# Altium PCB TIDA-01576_ADS8686S_AFE.PcbDoc (part 3 of 3)
Units mil, origin at the board's own origin, x right, y up, seen from the top; angles counter-clockwise.
Board outline 5511.81 x 3346.46 mil, 4 copper layers (Top Layer, GND, PWR, Bottom Layer), stack 61.6 mil thick; 296 components, 132 nets, 698 pads, 252 vias.
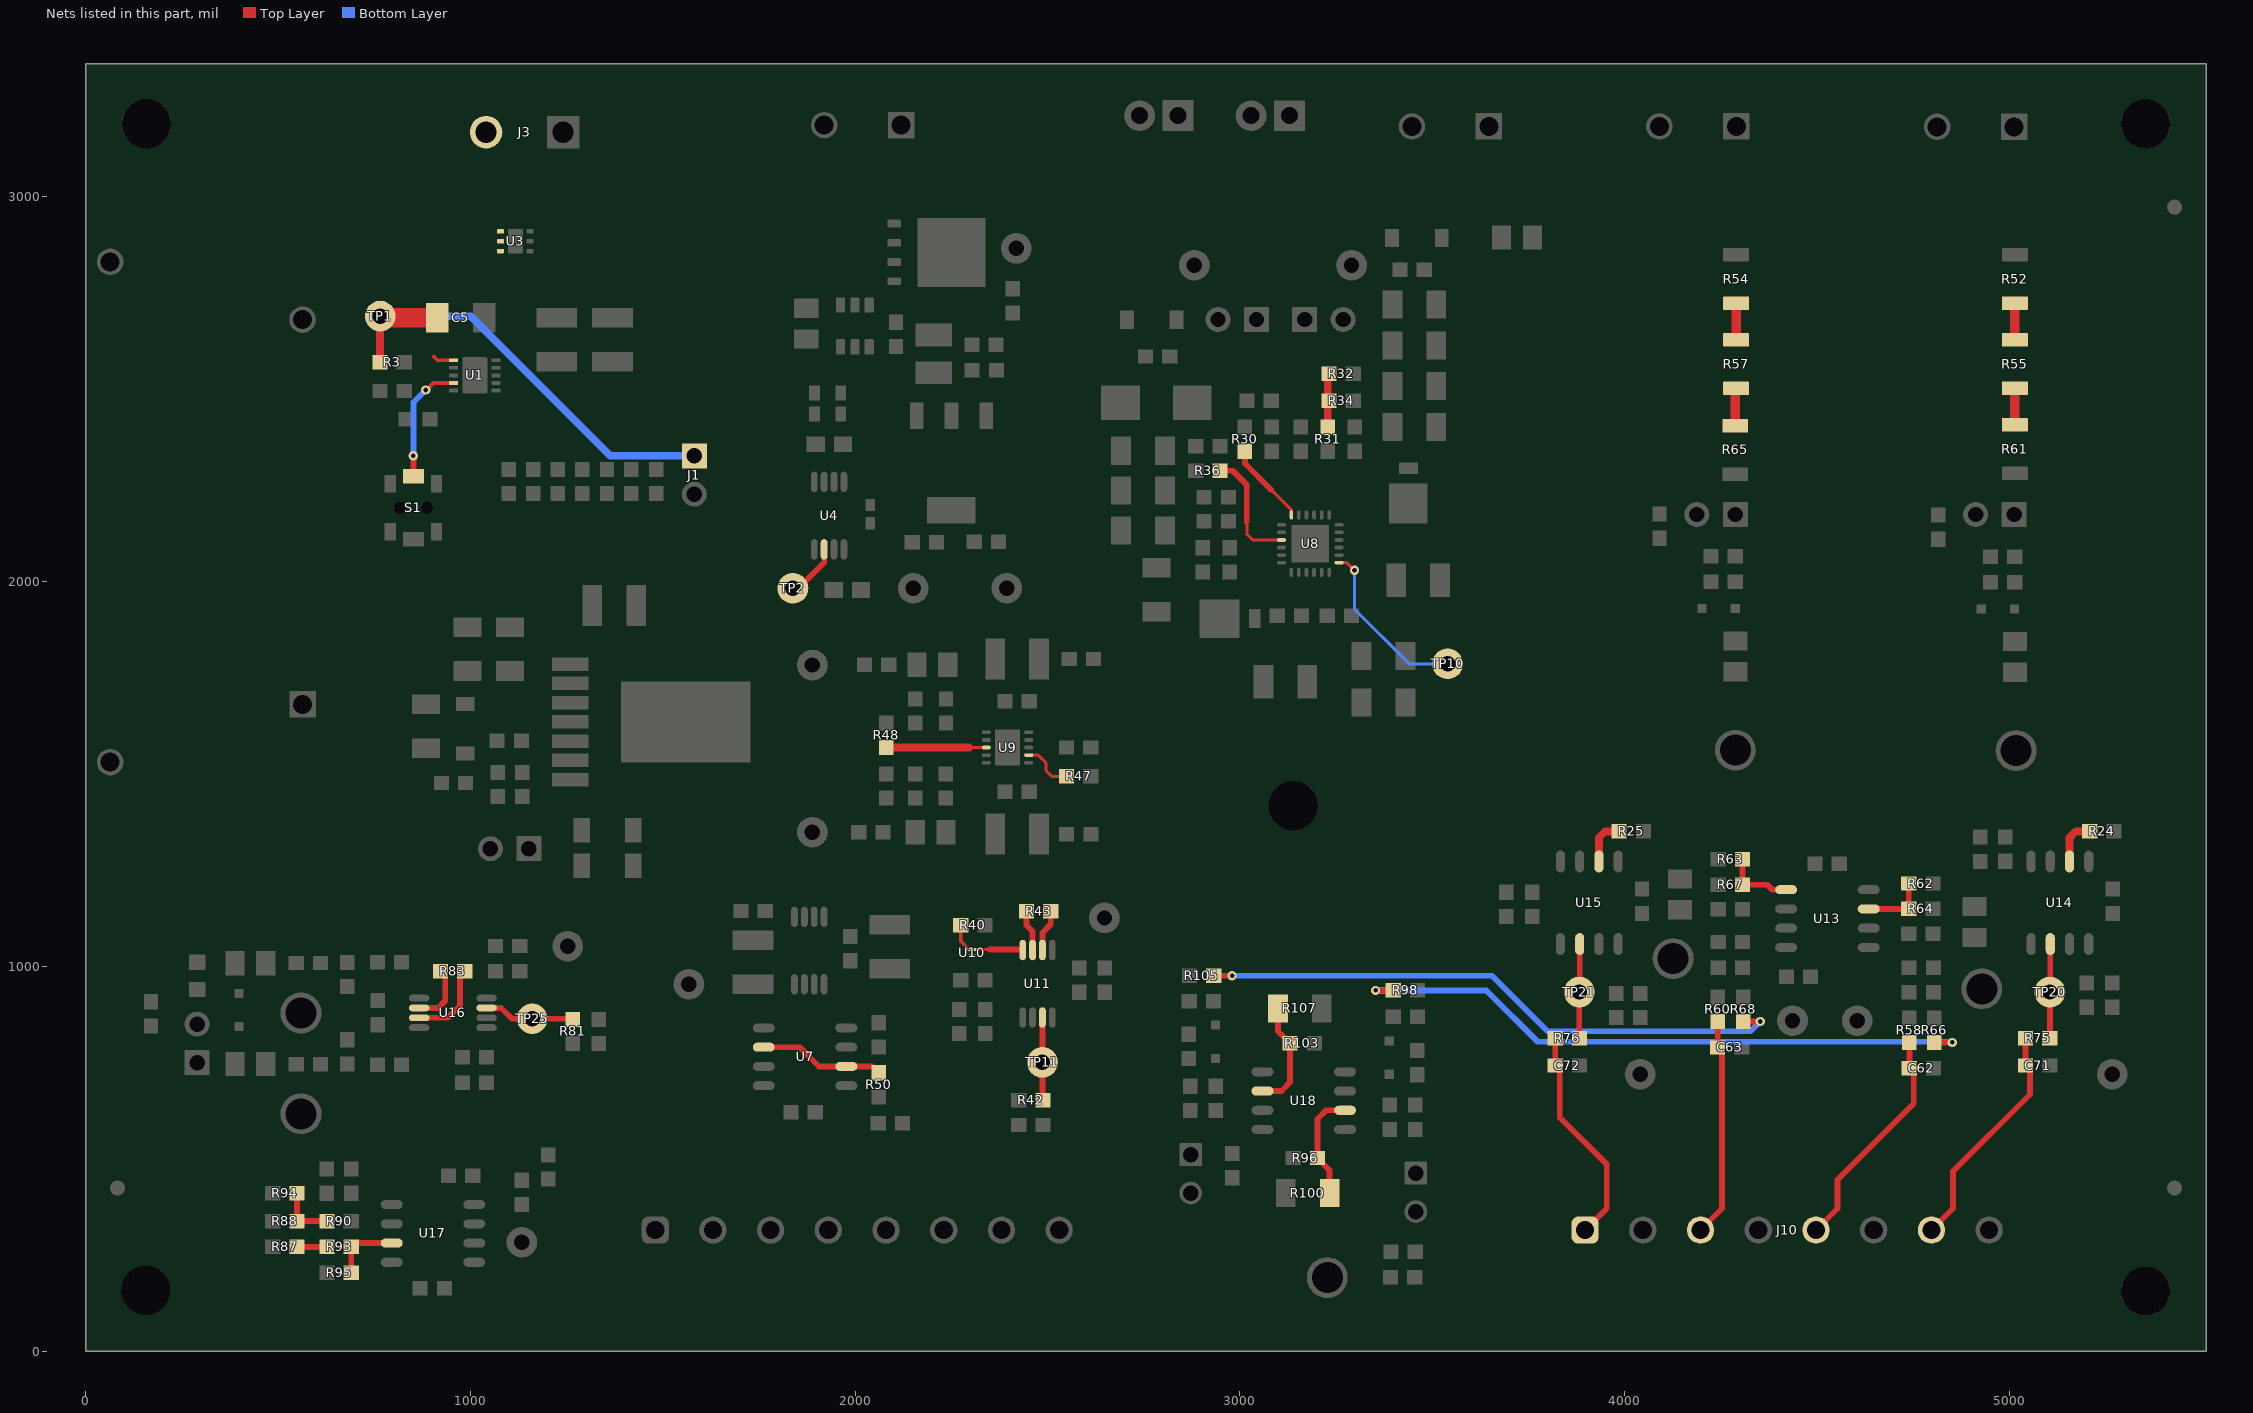
[diagram p5: the nets of this part, all layers, seen from the top]

## Via types
v1: diameter 24, hole 12, Top Layer to Bottom Layer, tented both sides, 198 vias
v2: diameter 19.68, hole 7.87, Top Layer to Bottom Layer, 30 vias
v3: diameter 32, hole 16, Top Layer to Bottom Layer, tented both sides, 24 vias

## Nets (pads, with @x,y where several pads share a name; then routed paths per layer and width w, separated by ;. In a path a pad name is that pad's centre, name@x,y a point inside that pad or via, vN(x,y) a via of type N, cw(c..) or ccw(c..) an arc to the next point about the centre after c; other vN are vias at no path point) (continued)
NetR24_1: R24.1 U14.2 | length 121.4
  Top Layer w20: U14.2@5155.89,1272.74 5155.89,1334.89 5171.89,1350.89 R24.1@5208.5,1350.89
NetR25_1: R25.1 U15.2 | length 121.4
  Top Layer w20: U15.2@3932.89,1272.74 3932.89,1334.89 3948.89,1350.89 R25.1@3985.5,1350.89
NetR30_1: R30.1 U8.18 | length 216
  Top Layer w8: 3081,2239 3081.59,2239 3133.59,2187 U8.18@3133.59,2173.33
  Top Layer w15: R30.1@3013,2339 3013,2307 3081,2239
NetR31_2: R31.2 R32.1 R34.2 | length 135
  Top Layer w20: R31.2@3228,2401.99 R32.1@3228,2536.99
NetR36_1: R36.1 U8.21 | length 309
  Top Layer w8: 3018,2156 3018,2124 3033.63,2108.37 U8.21@3108,2108.37
  Top Layer w15: R36.1@2948.37,2288.38 2981.34,2288.38 3018,2251.72 3018,2156
NetR40_1: R40.1 U10.B2 | length 72
  Top Layer w8: 2282.25,1058 U10.B2@2296.25,1044
  Top Layer w10: R40.1@2274.5,1107 2274.5,1065.75 2282.25,1058
NetR42_1: R42.1 TP11.1 U11.7 | length 215.4
  Top Layer w15: U11.7@2486.8,867.4 2486.8,750.76 TP11.1@2486.69,750.66 2486.69,654.16 R42.1@2488.19,652.66
NetR43_1: R43.1 U11.2 | length 109.4
  Top Layer w15: U11.2@2486.8,1042.6 2486.8,1087.8 2508.5,1109.5 R43.1@2508.5,1143
NetR43_2: R43.2 U11.3 | length 106.9
  Top Layer w15: R43.2@2445.5,1143 2445.5,1106.95 2461.2,1091.25 U11.3@2461.2,1042.6
NetR47_2: R47.2 U9.2 | length 133
  Top Layer w8: U9.2@2451.12,1549.24 2475.69,1549.24 2496,1528.93 2496,1508.93 2511,1493.93 R47.2@2549.5,1493.93
NetR48_1: R48.1 U9.8 | length 259.9
  Top Layer w9: 2296,1568.93 U9.8@2340.88,1568.93
  Top Layer w20: R48.1@2081,1568.93 2296,1568.93
NetR50_1: R50.1 U7.2 U7.6 | length 325.8
  Top Layer w15: U7.2@1762.63,790.19 1855.81,790.19 1905.81,740.19 U7.6@1977.19,740.19 2044.41,740.19 R50.1@2060.91,723.69
NetR52_1: R52.1 R55.2 | length 95
  Top Layer w25: R55.2@5013.89,2628.45 R52.1@5013.89,2723.46
NetR54_1: R54.1 R57.2 | length 95
  Top Layer w25: R57.2@4289.34,2628.43 R54.1@4289.34,2723.44
NetR55_1: R55.1 R61.2 | length 95
  Top Layer w25: R61.2@5013.89,2407.45 R55.1@5013.89,2502.46
NetR57_1: R57.1 R65.2 | length 100.7
  Top Layer w25: R65.2@4287.34,2399.52 R65.2@4289.34,2401.52 ; R65.2@4287.34,2405.43 4287.34,2500.44 R57.1@4289.34,2502.44
NetR62_1: R62.1 R64.2 U13.3 | length 170.2
  Top Layer w15: U13.3@4633.91,1149.46 R64.2@4738.13,1149.46 R62.1@4738.13,1215.46
NetR63_1: R63.1 R67.2 U13.5 | length 184.6
  Top Layer w15: R63.1@4306.12,1278.46 R67.2@4306.12,1212.46 4370.54,1212.46 4383.54,1199.46 U13.5@4419.34,1199.46
NetR75_1: R75.1 TP20.1 U14.6 | length 245.3
  Top Layer w15: R75.1@5104.39,813.46 5104.89,813.96 TP20.1@5104.89,933.46 5105.89,934.46 U14.6@5105.89,1058.17
NetR76_1: R76.1 TP21.1 U15.6 | length 245.3
  Top Layer w15: R76.1@3882.39,813.46 3881.89,813.95 TP21.1@3881.89,933.46 3882.89,934.46 U15.6@3882.89,1058.17
NetR81_1: R81.1 TP25.1 U16.7 | length 236.1
  Top Layer w15: U16.7@1042.2,892.18 1079.82,892.18 1108,864 TP25.1@1161,864 1264.5,864 R81.1@1266,862.5
NetR83_1: R83.1 U16.2 | length 158
  Top Layer w15: U16.2@867,892.18 916.18,892.18 935,911 935,975.5 R83.1@922.5,988
NetR83_2: R83.2 U16.3 | length 213.9
  Top Layer w15: U16.3@867,866.59 941.11,866.59 973,898.48 973,975.5 R83.2@985.5,988
NetR87_1: R87.1 R93.2 | length 78
  Top Layer w15: R87.1@549.5,271.15 R93.2@627.5,271.15
NetR88_1: R88.1 R90.2 R94.1 | length 150.1
  Top Layer w15: R94.1@549.5,410.2 R88.1@549.5,338.16 R90.2@627.5,338.16
NetR93_1: R93.1 R95.2 U17.3 | length 176.3
  Top Layer w15: R95.2@690.5,204.2 R93.1@690.5,271.15 700.55,281.2 U17.3@795.72,281.2
NetR96_1: R96.1 R100.2 U18.2 | length 286.5
  Top Layer w15: R100.2@3233.02,411.18 3233.02,470.59 R96.1@3201.43,502.18 3201.43,603.43 3224.18,626.18 U18.2@3273.22,626.18
NetR103_1: R103.1 R107.2 U18.6 | length 286.5
  Top Layer w15: U18.6@3058.65,676.18 3107.69,676.18 3130.44,698.93 R103.1@3130.44,800.18 3098.85,831.77 R107.2@3098.85,891.18
NetS1_2: S1.2 U1.4 | length 317.7
  Top Layer w10: v1(884,2498) 886,2498 904.26,2516.26 U1.4@956.57,2516.26
  Top Layer w15: S1.2@852,2273.69 852,2322.22 v1(852,2327)
  Bottom Layer w15: v1(852,2327) 852,2466 v1(884,2498)
NetTP2_1: TP2.1 U4.6 | length 143.4
  Top Layer w15: TP2.1@1838.31,1982.54 1852.54,1982.54 1919.51,2049.51 U4.6@1919.51,2083.94
NetTP10_1: TP10.1 U8.7 | length 450.1
  Top Layer w8: U8.7@3257.61,2049.32 3277.84,2049.32 v1(3297.67,2029.48)
  Bottom Layer w8: v1(3297.67,2029.48) 3297.67,1928.48 3439.67,1786.48 TP10.1@3539.67,1786.48
NetU10_B1: U10.B1 U11.4 | length 124.2
  Top Layer w8: U10.B1@2312,1044 2350,1044
  Top Layer w15: 2350,1044 2434.21,1044 U11.4@2435.61,1042.6
PD_OUT1: C62.1 J10.5 R58.2 | length 597.3
  Top Layer w15: J10.5@4497,314.96 4553,370.96 4553,445.92 4750.89,643.8 4750.89,724.34 4739.73,735.5 R58.2@4739.73,802.5
PD_OUT1_ZC: R66.1 R98.1 | length 1647.2
  Top Layer w15: v1(3352.5,937.72) R98.1@3398.44,937.72 ; R66.1@4804.23,802.5 v1(4851,802.5)
  Bottom Layer w15: v1(3352.5,937.72) 3640.19,937.72 3773.91,804 4849.5,804 v1(4851,802.5)
PD_OUT2: C71.1 J10.7 R75.2 | length 610.2
  Top Layer w15: J10.7@4797,314.96 4853,370.96 4853,467.55 5053,667.55 5053,677 5053.27,730.59 C71.1@5041.4,742.46 ; R75.2@5041.4,813.46 C71.1@5041.4,742.46 ; C71.1@5041.89,742.95 C71.1@5041.4,742.46
PD_OUT2_ZC: R68.1 R105.1 | length 1534.7
  Top Layer w15: R105.1@2931.89,976 v1(2979.64,976) ; R68.1@4307.63,856.96 v1(4352,857) v1(4352,857)
  Bottom Layer w15: v1(2979.64,976) 3655,976 3799.23,831.77 4326.77,831.77 v1(4352,857)
PD_OUT3: C63.1 J10.3 R60.2 | length 570.3
  Top Layer w15: J10.3@4197,314.96 4253,370.96 4253,777.59 C63.1@4241.13,789.46 4241.63,789.95 R60.2@4241.63,856.96
PD_OUT4: C72.1 J10.1 R76.2 | length 577.7
  Top Layer w15: R76.2@3819.4,813.46 C72.1@3819.4,742.46 ; C72.1@3819.89,742.95 C72.1@3819.4,742.46 ; J10.1@3897,314.96 3953,370.96 3953,486 3831.27,607.73 3831.27,730.59 C72.1@3819.4,742.46
VIN1: C5.1 J1.1 J3.2 R3.2 TP1.1 U1.1 U3.4 U3.5 U3.6 | length 1291.7
  Top Layer w10: 905,2585.16 914.84,2575.31 U1.1@956.57,2575.31
  Top Layer w20: R3.2@765.19,2570.27 765.19,2689.19 TP1.1@766,2690
  Top Layer w50: TP1.1@766,2690 770,2686 C5.1@913.98,2686
  Bottom Layer w20: TP1.1@766,2690 1001,2690 1364,2327 J1.1@1582,2327
pads on no net: FID1.1 FID2.1 FID3.1 J9.2 J12.2 J13.2 LBL1.0 MH1.1 MH2.1 MH3.1 MH4.1 MH5.1 Q1.9@2196.51,2798.34 Q1.9@2196.51,2855.42 Q1.9@2196.51,2912.51 Q1.9@2233.12,2855.42 Q1.9@2266.58,2798.34 Q1.9@2266.58,2855.42 Q1.9@2266.58,2912.51 S1.MH1 S1.MH2 S1.MP1 S1.MP2 S1.MP3 S1.MP4 T1.3 T1.4 U1.11@1001.84,2475.71 U1.11@1001.84,2596.18 U1.11@1011.69,2511.14 U1.11@1011.69,2560.75 U1.11@1021.53,2475.71 U1.11@1021.53,2596.18 U3.7@1117,2867 U3.7@1117,2902.43 U7.1 U7.5 U7.8 U8.12 U8.20 U17.1 U17.5 U17.8

## Polygon pours and split planes (outlines as drawn)
AGND on Top Layer "AGND_L01_P621" (solid, remove dead copper, pour order 621): 3741,2983 3751,2993 3849.15,2993 3856,2986.15 3856,2815 3842,2801 3748,2801 3741,2808
NetC56_2 on Top Layer "NETC56_2_L01_P599" (solid, remove dead copper, pour order 599): 1878.2,988.41 1869.61,997 1664,997 1657,990 1657,900.85 1664.85,893 1861,893 1878.2,910.2
AGND on Top Layer "AGND_L01_P597" (solid, remove dead copper, pour order 597): 1906,919 1906,1037.3 2149.35,1037.3 2163,1023.66 2163,932 2140,909 1916,909
+5V_CNTL on Top Layer "+5V_CNTL_L01_P595" (solid, remove dead copper, pour order 595): 1875,1060 1858,1077 1858,1163 1862,1167 2152.94,1167 2163,1156.94 2163,1085 2155,1077 2041,1077 2024,1060
+12V on Top Layer "g" (solid, remove dead copper, pour order 593): 1927.67,1417.67 1850.67,1417.67 1843,1410 1843,1283 1853,1273 2023.95,1273 2032.88,1281.93 2032.88,1410.12 2025.33,1417.67
-12V on Top Layer "g" (solid, remove dead copper, pour order 591): 1942.88,1862.67 1846.67,1862.67 1840,1856 1840,1705 1846.58,1698.42 2039.37,1698.42 2047.88,1706.93 2047.88,1851.67 2036.88,1862.67
-14V on Top Layer "g" (solid, remove dead copper, pour order 589): 2596,1877 2603.51,1884.51 2697.49,1884.51 2704.7,1878 2704.7,1726.26 2698.7,1720.26 2604.7,1720.26 2596,1728.96
-14V on Top Layer "-14V_L01_P587" (solid, remove dead copper, pour order 587): 3083.94,3158.06 3119,3123 3119,2646.39 3133,2632.39 3198.39,2632.39 3208.01,2642.01 3208.01,3253.99 3198.14,3263.86 3095.94,3263.86 3083.94,3251.86
+14V on Top Layer "+14V_L01_P585" (solid, remove dead copper, pour order 585): 3006,2868.48 2794,3080.48 2794,3252 2806,3264 2890,3264 2901,3253 2901,3113 3093.14,2920.86 3093.14,2642.26 3082,2631.12 3012.88,2631.12 3006,2638
NetC12_1 on Top Layer "NETC12_1_L01_P583" (solid, remove dead copper, pour order 583): 2188,2228.31 2221,2261.31 2221,2464.73 2229.27,2473 2277,2473 2281,2469 2281,2261 2331,2211 2331,2076 2328,2073 2191.8,2073 2188,2076.8
AGND on Top Layer "AGND_L01_P581" (solid, remove dead copper, pour order 581): 2342,2494 2318,2470 2318,2279.5 2348,2249.5 2348,1941 2361,1928 2454,1928 2461,1935 2461,2614.5 2435.5,2640 2347,2640 2342,2635
NetR16_1 on Top Layer "NETR16_1_L01_P579" (solid, remove dead copper, pour order 579): 2253,2571.77 2143.77,2571.77 2130,2558 2130,2385.85 2137.58,2378.27 2189.27,2378.27 2193,2382 2193,2490.19 2203.81,2501 2250,2501 2253,2504
+5V_CNTL on Top Layer "+5V_CNTL_L01_P577" (solid, remove dead copper, pour order 577): 2249,2601.84 2158.15,2601.84 2151.31,2608.69 2151.31,2704.31 2161,2714 2443,2714 2443,2665 2435,2657 2336,2657 2328,2649 2328,2525.37 2323,2520.37 2283.12,2520.37 2275.49,2528 2275.49,2592.51 2266,2602
NetQ1_5 on Top Layer "NETQ1_5_L01_P575" (solid, remove dead copper, pour order 575): 2149,2944 2169,2964 2457,2964 2470,2951 2470,2746 2463,2739 2180,2739 2149,2770
NetC15_1 on Top Layer "NETC15_1_L01_P573" (solid, remove dead copper, pour order 573): 2120,2825 2120,3052.98 2163.02,3096 2163.02,3219.98 2150,3233 2041,3233 2025,3217 2025,2992 1828,2795 1828,2688 1835,2681 1970,2681 1976,2687 1976,2761 2035,2820 2115,2820
AGND on Top Layer "AGND_L01_P571" (solid, remove dead copper, pour order 571): 1388,1982 1408,2002 1744,2002 1771,1975 1771,1240.72 1754.56,1224.28 1400,1224.28 1388,1236.28
+5V_CNTL on Top Layer "+5V_CNTL_L01_P569" (solid, remove dead copper, pour order 569): 1085,1371 1085,1220 1079,1214 923,1214 908,1229 908,1363 922,1377 1079,1377
NetC1_1 on Top Layer "NETC1_1_L01_P567" (solid, remove dead copper, pour order 567): 1169.12,1467 1207.34,1505.23 1320.89,1505.23 1330.11,1496 1330.11,1225.11 1319,1214 1132,1214 1116,1230 1116,1403 1107.34,1411.66 1050.34,1411.66 1045,1417 1045,1463 1049,1467
NetC6_1 on Top Layer "NETC6_1_L01_P565" (solid, remove dead copper, pour order 565): 1310,1763 1207.54,1763 1204.54,1766 1204.54,2105.54 1228,2129 1636.43,2129 1664,2156.57 1664,2483 1632,2515 1182.91,2515 1154,2543.91 1154,2599.29 1165,2610.29 1706.83,2610.29 1776.4,2540.72 1776.4,2079.4 1727,2030 1368.7,2030 1353,2014.3 1353,1777.24 1338,1762.24
AGND on Top Layer "AGND_L01_P563" (solid, remove dead copper, pour order 563): 1106.02,2905 1106,3221 1121,3236 1292,3236 1304,3224 1304,2844 1327,2821 1424,2821 1440.93,2804.07 1440.93,2657.93 1427,2644 1010,2644 1002,2652 1002,2723.52 1106.02,2827.54
NetC7_2 on Top Layer "g" (solid, remove dead copper, pour order 559): 1442,2249.27 1442,2172 1431,2161 1023.93,2161 976.69,2208.24 976.69,2370.27 955.13,2391.83 884,2391.83 872.25,2403.57 872.25,2436.48 881.04,2445.27 931.69,2445.27 941.69,2455.27 941.69,2500.27 946.69,2505.27 971.69,2505.27 976.69,2510.27 976.69,2604.71 1041.69,2605.05 1041.69,2269.27 1061.42,2249.27
VIN1 on Top Layer "VIN1_L01_P557" (solid, remove dead copper, pour order 557): 1085.5,3228.5 1079,3235 990,3235 984.13,3229.13 984.13,2884.84 867.57,2768.28 867.57,2615.43 916,2567 969,2567 972,2570 972,2732 1057,2817 1085.5,2845.5
GND1 on Top Layer "g" (solid, remove dead copper, pour order 555): 3460.67,2926.67 3472,2938 3703,2938 3714,2927 3714,2793 3695,2774 3581,2774 3560.67,2753.67 3560.67,2361.48 3551.67,2352.48 3469.67,2352.48 3460.67,2361.48
NetC31_1 on Top Layer "g" (solid, remove dead copper, pour order 553): 3247.87,2924 3420,2924 3429.67,2914.33 3429.67,2361.48 3473.67,2317.48 3473.67,2283.48 3469.67,2279.48 3374.31,2279.48 3329.83,2235 3233.19,2235 3199.67,2201.48 3199.67,2164.48 3196.67,2161.48 3185.67,2161.48 3185.67,2265.48 3214.67,2294.48 3321.67,2294.48 3340.67,2313.48 3340.67,2506.48 3332.67,2514.48 3272.67,2514.48 3267.67,2519.48 3267.67,2605.48 3237,2636.15 3237,2913.13
GND1 on Top Layer "g" (solid, remove dead copper, pour order 551): 3397.67,1645.48 3397.67,1850.48 3442.67,1895.48 3483.67,1936.48 3483.67,2035.48 3483.67,2069.48 3491.67,2077.48 3554.67,2077.48 3561.67,2070.48 3561.67,1901.48 3503.67,1843.48 3484.67,1824.48 3484.67,1735.48 3484.67,1647.48 3476.67,1639.48 3400.67,1639.48 3397.67,1642.48
+5V_CNTL on Top Layer "g" (solid, remove dead copper, pour order 549): 3351,2105.44 3316.09,2140.35 3248.67,2140.35 3244.67,2136.35 3244.67,2050.35 3240.67,2046.35 3210.67,2046.35 3208,2043.68 3208,1974.03 3213.67,1968.35 3216.67,1965.35 3261.67,1965.35 3267.67,1959.35 3267.67,1937.35 3267.67,1865.35 3261.67,1859.35 3150.67,1859.35 3143.67,1852.35 3143.67,1643.35 3154.67,1632.35 3342.67,1632.35 3351,1640.68
GND1 on Top Layer "g" (solid, remove dead copper, pour order 547): 2722.67,2097.67 2722.67,2371.48 2761.67,2410.48 2761.67,2752.48 2751.67,2762.48 2641.67,2762.48 2634.67,2755.48 2634.67,2079.48 2640.67,2073.48 2698.48,2073.48
NetC21_1 on Top Layer "g" (solid, remove dead copper, pour order 545): 2922.67,2178.48 2858.67,2178.48 2849.67,2187.48 2849.67,2387.48 2862.67,2400.48 2913.48,2400.48 2930.67,2417.67 2930.67,2512.33 2880.67,2562.33 2880.67,2618.65 2893.14,2631.12 2967.31,2631.12 2975.67,2639.48 2975.67,2861.33 2962,2875 2824,2875 2810.67,2861.67 2810.67,2419.48 2776.67,2385.48 2770.67,2379.48 2770.67,2231.48 2770.67,2108.8 2735.36,2073.49 2735.36,2005.79 2740.67,2000.48 2807.48,2000.48 2871.48,2064.48 2901.67,2064.48 2926.67,2064.48 2930.67,2068.48 2930.67,2170.48
NetD2_1 on Top Layer "Top Layer-No Net" (solid, remove dead copper, pour order 543): 2998,1959 2983,1974 2863,1974 2838,1949 2742.02,1949 2740.26,1947.24 2740.26,1849.41 2755.67,1834 2988,1834 2998,1844
NetD2_2 on Top Layer "Top Layer-No Net" (solid, remove dead copper, pour order 541): 3133.88,2054.12 3043.12,2054.12 3033,2044 3033,1981.98 3023,1971.98 3023,1929 3023,1829 3023,1693.53 3032.05,1684.48 3083.48,1684.48 3088,1689 3088,1779 3058,1809 3058,1914 3058,1948.98 3075.14,1966.12 3129.14,1966.12 3138,1974.98 3138,2009 3138,2050
NetD5_1 on Top Layer "Top Layer-No Net" (solid, remove dead copper, pour order 539): 3506.26,2254 3373,2254 3328,2209 3223,2209 3208,2194 3208,2164 3213,2159 3243,2159 3253,2169 3332.15,2169 3377.67,2123.48 3377.67,1957.48 3379.67,1955.48 3431.5,1955.48 3433,1956.98 3433,2104 3448,2119 3501.02,2119 3511.14,2129.12 3511.14,2249.12
+14V on Top Layer "g" (solid, remove dead copper, pour order 533): 2586.7,1516.26 2591.7,1521.26 2689.7,1521.26 2697.7,1513.26 2697.7,1278.7 2691,1272 2597,1272 2586.7,1282.3
NetC47_1 on Top Layer "NETC47_1_L01_P531" (solid, remove dead copper, pour order 531): 2074.09,1685.91 2074.09,1820.58 2084.43,1830.93 2179,1830.93 2186,1823.93 2186,1783.93 2186,1738.93 2196,1728.93 2251,1728.93 2281,1728.93 2301,1708.93 2301,1668.93 2316,1653.93 2316,1643.93 2306,1633.93 2261,1678.93 2081.07,1678.93
NetC47_2 on Top Layer "NETC47_2_L01_P529" (solid, remove dead copper, pour order 529): 2071,1613.93 2066,1618.93 2066,1628.93 2066,1648.93 2071,1653.93 2151,1653.93 2256,1653.93 2296,1613.93 2296,1603.93 2288,1595.93 2134,1595.93 2116,1613.93 2081,1613.93 2071,1613.93 2066,1618.93
NetC43_2 on Top Layer "NETC43_2_L01_P527" (solid, remove dead copper, pour order 527): 2071,1478.93 2066,1478.93 2061,1483.93 2061,1513.93 2066,1518.93 2096,1518.93 2100,1518.93 2120,1538.93 2310.53,1538.93 cw(c2301.35,1533.52) 2312,1533.93 2311,1528.93 2261,1478.93
NetC43_1 on Top Layer "NETC43_1_L01_P525" (solid, remove dead copper, pour order 525): 2061,1288.93 2056,1293.93 2056,1333.93 2056,1368.93 2066,1378.93 2091,1378.93 2126,1378.93 2136,1388.93 2136,1433.93 2136,1443.93 2146,1453.93 2171,1453.93 2266,1453.93 2311,1498.93 2316,1498.93 2326,1488.93 2326,1463.93 2266,1403.93 2191,1403.93 2181,1393.93 2181,1363.93 2181,1293.93 2176,1288.93
NetC50_2 on Top Layer "NETC50_2_L01_P523" (solid, remove dead copper, pour order 523): 2446,1633.93 2436,1643.93 2436,1688.93 2436,1723.93 2436,1845.56 2449.7,1859.26 2553.7,1859.26 2569.7,1843.26 2569.7,1702.54 2501.09,1633.93
GND1 on Top Layer "GND1_L01_P521" (solid, remove dead copper, pour order 521): 2216,1279 2211,1284 2211,1343.93 2211,1368.93 2221,1378.93 2270,1378.93 2276,1378.93 2316,1418.93 2364,1466.93 2364,1640.93 2326,1678.93 2326,1723.93 2295.93,1754 2214,1754 2211,1757 2211,1858 2217.93,1864.93 2396.07,1864.93 2406,1855 2406,1708.93 2406,1673.93 2406,1643.93 2427.38,1622.55 2427.38,1592.69 2427.38,1524.23 2411,1507.84 2411,1453.93 2411,1288 2402,1279
NetC41_2 on Top Layer "NETC41_2_L01_P519" (solid, remove dead copper, pour order 519): 2438.09,1498.86 2438.09,1278.87 2441.7,1275.26 2546.7,1275.26 2559.7,1288.26 2559.7,1377.31 2523.09,1413.93 2488.09,1448.93 2488.09,1473.93 2488.09,1483.93 2470.02,1502 2441.28,1502
+3.3V on Bottom Layer "+3.3V_L04_P623" (solid, remove dead copper, pour order 623): 2203,2041 2103,2041 2092,2030 2092,1162 2673,581 3528,581 3538,591 3538,737 3529,746 2809.77,746 2213,1342.77 2213,2031
-12V on Bottom Layer "-12V_L04_P615" (solid, remove dead copper, pour order 615): 1374,1830 1374,951 1217,794 915,794 798,677 798,91 815,74 1220,74 1250,104 1250,249 1452,451 2305,451 2334,480 2334,870 2066,1138 2066,1831 2032.07,1864.93 1408.93,1864.93
-14V on Bottom Layer "-14V_L04_P605" (solid, remove dead copper, pour order 605): 3118.24,2904.24 3118.24,2347.24 2678,1907 2602,1907 2581,1886 2581,1707 2603,1685 3008,1685 3360,2037 3360,2908.37 3348.37,2920 3134,2920
+14V on Bottom Layer "+14V_L04_P607" (solid, remove dead copper, pour order 607): 3105,2373 2665,1933 2592,1933 2553,1894 2553,1688.93 2696,1545.93 2696,1277 2691,1272 2327.47,1272 2240,1359.47 2240,2338 2822,2920 3089.24,2920 3105,2904.24
NetC7_2 on Bottom Layer "g" (solid, remove dead copper, pour order 561): 976.69,2510.27 976.69,2370.27 976.69,2208.24 1023.93,2161 1431,2161 1442,2172 1442,2239.68 1432.41,2249.27 1061.42,2249.27 1041.69,2269.27 1041.69,2605.05 976.69,2604.71
AGND on GND "AGND_L02_P603" (solid, remove dead copper, pour order 603): 1802.07,1893 1764,1854.93 1764,1286.08 1805.08,1245 2728.05,1245 3062.56,1579.51 3675.51,1579.51 3740,1644 3740,2937.05 3713.56,2963.49 3333.56,2963.49 3324.49,2972.56 3324.49,3294.47 3344.02,3314 3365,3314 5437,3314 5479,3272 5479,70 5443,34 83,34 32,85 32,3270 76,3314 2516,3314 2552.51,3276.49 2552.51,2018.56 2426.95,1893
GND1 on GND "GND1_L02_P601" (solid, remove dead copper, pour order 601): 3714,2927 3703,2938 3323,2938 3299,2962 3299,3294.47 3271.47,3322 2604,3322 2578,3296 2578,2008 2434.93,1864.93 1834.93,1864.93 1791.58,1821.58 1791.58,1310.42 1831,1271 2718,1271 2729,1282 3052,1605 3660.52,1605 3714,1658.48
+5V_CNTL on PWR "+5V_CNTL_L03_P619" (solid, remove dead copper, pour order 619): 81,1218 81,3233 120,3272 3683.24,3272 3714,3241.24 3714,1658.48 3660.52,1605 3096,1605 2808,1893 1802.07,1893 1763,1853.93 1763,1508 1750,1495 1461.68,1495 1153.68,1187 112,1187
-12V on PWR "-12V_L03_P613" (solid, remove dead copper, pour order 613): 5412.49,1069.49 2174.15,1069.49 2142,1101.64 2142,1447.36 2088.36,1501 1809,1501 1791.58,1518.42 1791.58,1821.58 1834.93,1864.93 2790.07,1864.93 3075.49,1579.51 3675.51,1579.51 3740,1644 5424,1644 5448,1620 5448,1105
+12V on PWR "+12V_L03_P609" (solid, remove dead copper, pour order 609): 5448,1010 5414,1044 2138,1044 2113,1069 2113,1415 2060,1468 1472,1468 1165,1161 113,1161 81,1129 81,124 134,71 5416,71 5448,103

## Keep-outs
PWR:
  circle w8: c1854,2490 r25
Keep-Out Layer:
  the board outline again, w15

## Other copper
Top Layer:
  region net AGND: 3819,1138
  text ".Layer_Name" at -243,-1242.82 h60
GND:
  text ".Layer_Name" at -243,-1242.82 h60
PWR:
  text ".Layer_Name" at -243,-1242.82 h60
Bottom Layer:
  text ".Layer_Name" at -243,-1242.82 h60

## Silkscreen, mask and mechanical layers (free items; w line width, h text height)
Top Overlay:
  lines w6: 2959.92,2501 2959.92,2487.18 2981,2466.1 2981,2434.98 2984.46,2431.52
  text "AGND" at 3755.8,3148 h35
  text "GND1" at 2656,3027 h35
  text "+14V" at 2797.5,3027 h35
  text "GND1" at 2945.94,3026.86 h35
  text "-14V" at 3087.44,3026.86 h35
  text "AGND" at 1673.8,2999 h35
  text "VIN" at 2229,2996 h35
  text "VIN1" at 924,2940 h35
  text "AGND" at 1198.8,2936 h35
  text "VIN1" at 709,2764 h35
  text "-E1" at 5438,2408 h60 r90
  text "AGND" at 2458.8,1934 h35
  text "+3.3V" at 2076,1883.73 h35
  text "-12V" at 1828,1679 h35
  text "+12V" at 1826.8,1455.31 h35
  text "+5V_CNTL" at 851,1197 h35
  text "AGND" at 2594,1193.08 h35
  text ".PRJ_NUMBER" at 5443,1035 h60 r90
  text "AGND" at 1319.8,1034 h35
  text "AGND" at 5334.8,703 h35
  text "AGND" at 4102.8,685 h35
  text "CT_1_OUT" at 1781,393.49 h35 r90
  text "CT_2_OUT" at 1495.36,387.65 h35 r90
  text "AGND" at 1646.36,387.65 h35 r90
  text "AGND" at 1946.36,387.65 h35 r90
  text "ADC8" at 2095.36,387.65 h35 r90
  text "AGND" at 2246.36,387.65 h35 r90
  text "ADC7" at 2395.36,387.65 h35 r90
  text "AGND" at 2546.36,387.65 h35 r90
  text "PD_OUT4" at 3912,387.8 h35 r90
  text "AGND" at 4063,387.8 h35 r90
  text "PD_OUT3" at 4212,387.8 h35 r90
  text "AGND" at 4363,387.8 h35 r90
  text "PD_OUT1" at 4512,387.8 h35 r90
  text "AGND" at 4663,387.8 h35 r90
  text "PD_OUT2" at 4812,387.8 h35 r90
  text "AGND" at 4963,387.8 h35 r90
  text ".Layer_Name" at -243,-1242.82 h60
Bottom Overlay:
  text ".Layer_Name" at -243,-1242.82 h60
Top Paste:
  text ".Layer_Name" at -243,-1242.82 h60
Bottom Paste:
  text ".Layer_Name" at -243,-1242.82 h60
Top Solder:
  text ".Layer_Name" at -243,-1242.82 h60
  text ".Layer_Name" at -243,-1242.82 h60
Bottom Solder:
  text ".Layer_Name" at -243,-1242.82 h60
Drill Guide:
  text ".Layer_Name" at -243,-1242.82 h60
M1 Board Outline:
  the board outline again, w15
M2 Board Dimensions:
  rectangle: -820.5,-669.83 -695.5,-544.83
  rectangle: -695.5,-794.83 -320.5,-669.83
  lines w7: -820.5,-669.83 179.5,-669.83 ; -695.5,-794.83 -695.5,-544.83 ; -570.5,-794.83 -570.5,-544.83 ; -320.5,-794.83 -320.5,-544.83 ; -70.5,-794.83 -70.5,-544.83 ; -820.5,-794.83 179.5,-794.83 179.5,-544.83 -820.5,-544.83 -820.5,-794.83
  lines w10: -820.5,-859.83 -820.5,-839.83 ; -760.5,-869.83 -820.5,-849.83 ; -760.5,-829.83 -820.5,-849.83 ; -596.42,-849.83 -820.5,-849.83 ; -44.58,-849.83 179.5,-849.83 ; 119.5,-869.83 179.5,-849.83 ; 119.5,-829.83 179.5,-849.83 ; 179.5,-859.83 179.5,-839.83
  text "1000 (mil)" at -586.42,-885.82 h60
M3 3D STEP Top:
  text ".Layer_Name" at -243,-1242.82 h60
M4 3D STEP Bottom:
  text ".Layer_Name" at -243,-1242.82 h60
M5 Assembly Top:
  circle w10: c2341,2354 r17.2
  circle w10: c1227,1788 r12.67
  circle w10: c3898,384 r17.2
  circle w10: c1476,383 r17.2
  lines w6: 1208.22,1425.05 1208.22,1846.31 1773.38,1846.31 1773.38,1425.05 1208.22,1425.05
  lines w10: -1112,-1314.5 5488,-1314.5 ; -1112,-1111.16 5490,-1111.16 ; -1112,-907.83 -1112,-1517.83 2893,-1517.83 5490,-1517.83 5490,-907.83 -1111.5,-907.83 -1111.5,-1517.83 464,-1517.83 ; 1353,-1517.83 1353,-907.83 ; 2620,-1111.16 2620,-907.83 ; 3460,-1111.16 3460,-907.83 ; 4082,-1524.33 4082,-1321.5
  text "COMPONENTS MARKED 'DNP' SHOULD NOT BE POPULATED." at 336.04,-746.04 h20
  text "ASSEMBLY VARIANT:" at 335.54,-861.54 h20
  text ".VariantName" at 1371.54,-861.54 h20
  text "PCB VIEWED FROM TOP SIDE" at -1048.5,-1040 h20
  text "BOARD #:" at 1428,-1040 h20
  text "REV:" at 2818,-1040 h20
  text ".PCB_Rev" at 3109.5,-1040 h20
  text "SVN REV:" at 3656,-1040 h20
  text ".VersionControl_RevNumber" at 4162,-1040 h20
  text ".PRJ_Number" at 1880,-1044.33 h20
  text ".TID" at 1732,-1233 h20
  text "TID#:" at 1433,-1235 h20
  text "LAYER NAME =" at -1063,-1241.33 h20
  text "Top Assembly" at -237,-1260.33 h20
  text "PLOT NAME =" at -1048.5,-1448.67 h20
  text ".plot_File_Name" at -243,-1448.67 h20
  text "GENERATED    :" at 1430,-1448.67 h20
  text ".Print_Date" at 2299.5,-1448.67 h20
  text ".Print_Time" at 3028.5,-1448.67 h20
  text "TEXAS INSTRUMENTS" at 4293,-1448.67 h20
M6 Assembly Bottom:
  lines w10: -1112.5,-1111.66 5489.5,-1111.66 ; -1110.5,-1315 5489.5,-1315 ; 295.5,-1524.83 295.5,-1322 ; 917.5,-1111.66 917.5,-908.33 ; 1757.5,-1111.66 1757.5,-908.33 ; 3024.5,-1518.33 3024.5,-908.33 ; 3913.5,-1518.33 5489,-1518.33 5489,-908.33 -1112.5,-908.33 -1112.5,-1518.33 1484.5,-1518.33 5489.5,-1518.33 5489.5,-908.33
  text "COMPONENTS MARKED 'DNP' SHOULD NOT BE POPULATED." at 5282,-702.33 h25
  text ".VariantName" at 4238,-818.33 h25
  text "ASSEMBLY VARIANT:" at 5277,-818.33 h25
  text ".VersionControl_RevNumber" at 215.5,-1040.5 h25
  text "SVN REV:" at 721.5,-1040.5 h25
  text ".PCB_Rev" at 1268,-1040.5 h25
  text "REV:" at 1559.5,-1040.5 h25
  text ".PRJ_Number" at 2404,-1040.5 h25
  text "BOARD #:" at 2949.5,-1040.5 h25
  text "PCB VIEWED FROM BOTTOM SIDE" at 5426,-1040.5 h25
  text ".TID" at 2794.24,-1238 h25
  text "TID#:" at 2978,-1238 h25
  text "Bottom Assembly" at 4702,-1238.33 h25
  text "LAYER NAME =" at 5443,-1239.33 h25
  text "TEXAS INSTRUMENTS" at 84.5,-1449.17 h25
  text ".Print_Time" at 1349,-1449.17 h25
  text ".Print_Date" at 2078,-1449.17 h25
  text "GENERATED    :" at 2947.5,-1449.17 h25
  text ".plot_File_Name" at 4620.5,-1449.17 h25
  text "PLOT NAME =" at 5426,-1449.17 h25
M9 Title Sheet:
  drawing of 64 lines, arcs and shapes, not listed
  text "1" at -80.66,8872 h70
  text "2" at 2415,8872 h70
  text "3" at 4904.34,8872 h70
  text "4" at 7411.01,8872 h70
  text "5" at 9910,8872 h70
  text "6" at 12415,8872 h70
  text "A" at -1236.5,6509.17 h70
  text "A" at 13563.5,6509.17 h70
  text "B" at -1236.5,4129.17 h70
  text "B" at 13563.5,4129.17 h70
  text "C" at -1236.5,1754.17 h70
  text "C" at 13563.5,1754.17 h70
  text "PROJECT TITLE:" at 10523.5,-106.83 h45
  text ".PRJ_Title" at 10573.5,-240.16 h70
  text "DESIGNED FOR:" at 10523.5,-407.83 h45
  text ".PRJ_Customer" at 10573.5,-547.83 h70
  text "D" at -1236.5,-615.83 h70
  text "D" at 13563.5,-615.83 h70
  text "FILE NAME:" at 10523.5,-707.83 h45
  text ".Pcb_File_Name_No_Path" at 10573.5,-827.83 h70
  text "Texas Instruments (TI) and/or its licensors do not warrant the accuracy or completeness of this specification" at 5554,-989.67 h45
  text "ENGINEER:" at 10523.5,-997.83 h45
  text "LAYOUT BY:" at 12028.5,-997.83 h45
  text "or any information contained therein. TI and/or its licensors do not warrant that this design will meet" at 5509.01,-1102.33 h45
  text ".prj_engineer" at 10795,-1114.33 h70
  text ".PCB_Layout" at 12406,-1120.33 h70
  text "the specifications, will be suitable for your application or fit for any particular purpose, or will operate in" at 5509.01,-1215 h45
  text "ALTIUM DESIGNER VERSION:" at 12028.5,-1307.83 h45
  text "an implementation. TI and/or its licensors do not warrant that the design is production worthy. You should" at 5509.01,-1327.67 h45
  text "completely validate and test your design implementation to confirm the system functionality for your application." at 5554,-1440.33 h45
  text ".print_Scale" at 10573.5,-1441.16 h70
  text ".Application_BuildNumber" at 12079,-1441.16 h70
  text "1" at -80.16,-1647.83 h70
  text "2" at 2415.5,-1647.83 h70
  text "3" at 4904.84,-1647.83 h70
  text "4" at 7411.51,-1647.83 h70
  text "5" at 9910.5,-1647.83 h70
  text "6" at 12415.5,-1647.83 h70
M10 Fab Notes:
  drawing of 231 lines, arcs and shapes, not listed
  text "ALL VIAS ARE  TENTED EXCEPT THERMAL VIAS" at 10474.74,6592.15 h60
  text "DESIGN INFORMATION" at 11561.02,6425.67 h60
  text "(REFER ALSO ARRAY/PANEL PROFILING INFORMATION)" at 11199.46,6263.95 h60
  text "BOARD SIZE" at 10513.46,6259.67 h60
  text "85mm" at 11658,6137.67 h60
  text "140mm" at 10926,6131.67 h60
  text "X" at 11481.46,6131.85 h60
  text "Number of Layers :" at 10916.46,5994.67 h60
  text "4" at 12011.27,5984.67 h60
  text "MIN. TRACK WIDTH:" at 10916.46,5855.67 h60
  text "8" at 12012.7,5855.67 h60
  text "MIL" at 12167.46,5855.67 h60
  text "6" at 12006,5735 h60
  text "MIN. CLEARANCE:" at 10916.46,5723.67 h60
  text "MIL" at 12167.46,5723.67 h60
  text "19.685" at 11880,5595.67 h60
  text "MIL" at 12240,5595.67 h60
  text "MIN. VIA PAD SIZE:" at 10916.46,5591.67 h60
  text "EXTERNAL" at 12572,5451.67 h60
  text "0.1499mm (5.9055MIL)" at 11611.46,5449.96 h60
  text "MINIMUM ANNULAR RING" at 10587.23,5445.67 h60
  text "PER" at 10787.23,5327.67 h60
  text "IPC-D-275 CLASS 2 LEVEL C" at 11007.23,5327.67 h60
  text "MIL, HOLES" at 12495.46,5215.38 h60
  text "+/-" at 12103,5214.67 h60
  text "+/-" at 12957,5214.67 h60
  text "REGISTRATION TOLERANCES:" at 10587.23,5209.67 h60
  text "METAL" at 11787,5209.67 h60
  text "5" at 12363.2,5209.67 h60
  text "3" at 13196.2,5209.67 h60
  text "MIL" at 13312.46,5209.67 h60
  text "MATERIAL:" at 10512.46,4940.21 h60
  text "FR-4 High Tg" at 11498.9,4799.88 h60
  text "X" at 11340,4792.67 h60
  text "FR-408" at 10933.46,4791.31 h60
  text "OTHER" at 12421.46,4791.31 h60
  text "63MIL (1.6mm) +/-10%" at 11253.56,4628.59 h60
  text "THICKNESS:" at 10587.23,4624.31 h60
  text "X" at 11125.4,4624.31 h60
  text "OTHER" at 12538.46,4624.31 h60
  text "TOLERANCE:" at 10587.23,4466.31 h60
  text "X" at 11426.53,4466.31 h60
  text "ANSI IPC-6012 TYPE 3 CLASS 2" at 11613.48,4466.31 h60
  text "OTHER +/-" at 11613.46,4310.31 h60
  text "BOW & TWIST:" at 10587.23,4153.31 h60
  text "X" at 11426.53,4153.31 h60
  text "ANSI IPC-6012 TYPE 3 CLASS 2" at 11613.48,4153.31 h60
  text "OTHER +/-" at 11613.46,3994.8 h60
  text "COPPER THICKNESS (FINISHED):" at 10512.46,3859.31 h60
  text "1.4MIL (1oz)" at 11392.46,3706.59 h60
  text "2MIL (1.4oz)" at 12159.46,3706.59 h60
  text "2.8MIL (2oz)" at 12886.46,3706.59 h60
  text "OUTER:" at 10869.46,3702.31 h60
  text "X" at 11272,3697 h60
  text "1.4MIL (1oz)" at 11392.46,3549.59 h60
  text "2.8MIL (2oz)" at 12159.46,3549.59 h60
  text "N/A" at 12886,3549.95 h60
  text "INNER SIGNAL:" at 10580.38,3545.31 h60
  text "X" at 11266,3541 h60
  text "DRILLING:" at 10512.46,3406.31 h60
  text "REFERENCE:" at 10587.23,3289.31 h60
  text "X" at 11235.46,3289.31 h60
  text "AS SHOWN" at 11422.46,3289.31 h60
  text "X" at 12136.46,3289.31 h60
  text "NC_DRILL FILES" at 12273.46,3289.31 h60
  text "PTH MIN COPPER THICKNESS:" at 10587.23,3131.31 h60
  text "X" at 11937.46,3131.31 h60
  text "1MIL" at 12074.46,3131.31 h60
  text "OTHER" at 12571.46,3131.31 h60
  text "BOARD FINISH:" at 10512.46,2972.31 h60
  text "SILKSCREEN:" at 10667.68,2854.31 h60
  text "X" at 11616.46,2854.31 h60
  text "TOP" at 11742.46,2854.31 h60
  text "X" at 12126.46,2854.31 h60
  text "BOTTOM" at 12253.46,2854.31 h60
  text "SILKSCREEN COLOR:" at 10667.68,2687.31 h60
  text "X" at 11615.42,2687.31 h60
  text "WHITE" at 11742.46,2687.31 h60
  text "OTHER" at 12253.46,2687.31 h60
  text "SOLDER RESIST COLOR:" at 10667.68,2517.31 h60
  text "X" at 11235.42,2358.11 h60
  text "GREEN" at 11362.46,2358.11 h60
  text "BLUE" at 11953.46,2358.11 h60
  text "OTHER" at 12491.46,2358.11 h60
  text "IMMERSION GOLD (ENIG)" at 11573.46,2169.59 h60
  text "ENEPIG" at 12911,2166.31 h60
  text "SURFACE FINISH:" at 10512.46,2165.31 h60
  text "X" at 11386.51,2165.31 h60
  text "IMM. TIN/SILVER OR EQUIV" at 10842,2008.31 h60
  text "OTHER" at 12273.46,2008.31 h60
  text "ARRAY/PANEL:" at 10512.46,1829.31 h60
  text "CUT AND TRIM PER MECH LAYER 1" at 11573.46,1825.02 h60
  text "N.C. ROUTE" at 11573.46,1673.31 h60
  text "X" at 12252.46,1673.31 h60
  text "V. SCORE" at 12439.46,1673.31 h60
  text "CERTIFICATION:" at 10512.46,1536.31 h60
  text "MATERIALS AND WORKMANSHIP FOR ALL PCBS" at 11237.46,1536.31 h60
  text "TO MEET OR EXCEED THE REQUIREMENTS OF:" at 11237.46,1438.31 h60
  text "X" at 10863.96,1301.8 h60
  text "ANSI IPC-A-600F CLASS ->" at 11002.96,1301.8 h60
  text "X" at 12642.02,1301.8 h60
  text "2" at 12760.96,1301.8 h60
  text "1" at 12445.96,1300.31 h60
  text "3" at 13114.96,1300.31 h60
  text "X" at 10866.02,1142.31 h60
  text "UL 94V-0" at 11002.96,1142.31 h60
  text "X" at 11678.02,1142.31 h60
  text "RoHS" at 11814.96,1142.31 h60
  text "OTHER" at 12459.36,1142.31 h60
  text "PER ORDER" at 12856.42,1142.31 h60
  text "ADDITIONAL REQUIREMENTS:" at 10512.46,1001.31 h60
  text "NO" at 12880.58,1001.21 h60
  text "VIA TENTING" at 11795.13,991.67 h60
  text "X" at 12364.85,989.5 h60
  text "YES" at 12479.11,986.11 h60
  text "MICROSECTION:" at 10587.23,886.31 h60
  text "YES" at 11492.96,886.31 h60
  text "IMPEDANCE CONTROL:" at 11753.13,861.67 h60
  text "YES" at 12745,860.67 h60
  text "X" at 13280,850.67 h60
  text "NO" at 13112.6,843.36 h60
  text "REQUIRED" at 12354.46,730.16 h60
  text "BARE BOARD ELEC. TEST:" at 10587.23,727.31 h60
  text "NONE" at 11892.96,727.31 h60
  text "X" at 12227.46,727.31 h60
  text "PER ORDER" at 12946.46,727.31 h60
  text "MANUFACTURER'S UL:" at 10587.23,570.31 h60
  text "RAIL" at 11752.96,566.02 h60
  text "METAL" at 12244.77,566.02 h60
  text "X" at 12620,565.67 h60
  text "SILK" at 12756.46,566.02 h60
M11 Gerber Information:
  lines w10: -1112,-1314.5 5488,-1314.5 ; -1112,-1111.16 5490,-1111.16 ; -1112,-907.83 -1112,-1517.83 2893,-1517.83 5490,-1517.83 5490,-907.83 -1111.5,-907.83 -1111.5,-1517.83 464,-1517.83 ; 1353,-1517.83 1353,-907.83 ; 2620,-1111.16 2620,-907.83 ; 3460,-1111.16 3460,-907.83 ; 4082,-1524.33 4082,-1321.5
  text "ALL ARTWORK VIEWED FROM TOP SIDE" at -1048.5,-1040 h60
  text "BOARD #:" at 1428,-1040 h60
  text "REV:" at 2818,-1040 h60
  text ".PCB_Rev" at 3109.5,-1040 h60
  text "SVN REV:" at 3656,-1040 h60
  text ".VersionControl_RevNumber" at 4162,-1040 h60
  text ".PRJ_Number" at 1880,-1044.33 h30
  text ".TID" at 1729,-1235 h60
  text "TID#:" at 1430,-1237 h60
  text "LAYER NAME =" at -1048.5,-1242.82 h60
  text "PLOT NAME =" at -1048.5,-1448.67 h60
  text ".plot_File_Name" at -243,-1448.67 h60
  text "GENERATED    :" at 1430,-1448.67 h60
  text ".Print_Date" at 2299.5,-1448.67 h60
  text ".Print_Time" at 3028.5,-1448.67 h60
  text "TEXAS INSTRUMENTS" at 4293,-1448.67 h60
M12 Stackup:
  drawing of 295 lines, arcs and shapes, not listed
  text "Layer" at 5764.2,5122 h60
  text "Name" at 6174.11,5122 h60
  text "Material" at 7103.85,5122 h60
  text "Thickness" at 7963.62,5122 h60
  text "Constant" at 8613.46,5122 h60
  text "Board Layer Stack" at 9183.32,5122 h60
  text "1" at 5764.2,5002 h60
  text "Top Overlay" at 6174.11,5002 h60
  text "2" at 5764.2,4882 h60
  text "Top Solder" at 6174.11,4882 h60
  text "Solder Resist" at 7103.85,4882 h60
  text "0.40mil" at 7963.62,4882 h60
  text "3.5" at 8613.46,4882 h60
  text "3" at 5764.2,4762 h60
  text "Top Layer" at 6174.11,4762 h60
  text "Copper" at 7103.85,4762 h60
  text "1.40mil" at 7963.62,4762 h60
  text "4" at 5764.2,4642 h60
  text "Dielectric1" at 6174.11,4642 h60
  text "FR-4-High Tg" at 7103.85,4642 h60
  text "18.00mil" at 7963.62,4642 h60
  text "4.8" at 8613.46,4642 h60
  text "5" at 5764.2,4522 h60
  text "GND" at 6174.11,4522 h60
  text "Copper" at 7103.85,4522 h60
  text "1.40mil" at 7963.62,4522 h60
  text "6" at 5764.2,4402 h60
  text "Dielectric2" at 6174.11,4402 h60
  text "FR-4-High Tg" at 7103.85,4402 h60
  text "20.00mil" at 7963.62,4402 h60
  text "4.8" at 8613.46,4402 h60
  text "7" at 5764.2,4282 h60
  text "PWR" at 6174.11,4282 h60
  text "Copper" at 7103.85,4282 h60
  text "1.40mil" at 7963.62,4282 h60
  text "8" at 5764.2,4162 h60
  text "Dielectric3" at 6174.11,4162 h60
  text "FR-4-High Tg" at 7103.85,4162 h60
  text "18.00mil" at 7963.62,4162 h60
  text "4.8" at 8613.46,4162 h60
  text "9" at 5764.2,4042 h60
  text "Bottom Layer" at 6174.11,4042 h60
  text "Copper" at 7103.85,4042 h60
  text "1.40mil" at 7963.62,4042 h60
  text "10" at 5764.2,3922 h60
  text "Bottom Solder" at 6174.11,3922 h60
  text "Solder Resist" at 7103.85,3922 h60
  text "0.40mil" at 7963.62,3922 h60
  text "3.5" at 8613.46,3922 h60
  text "11" at 5764.2,3802 h60
  text "Bottom Overlay" at 6174.11,3802 h60
M13 Component Bodies Top:
  text ".Layer_Name" at -243,-1242.82 h60
M14 Component Bodies Bottom:
  text ".Layer_Name" at -243,-1242.82 h60
M15 Courtyards Top:
  text ".Layer_Name" at -243,-1242.82 h60
M16 Courtyards Bottom:
  text ".Layer_Name" at -243,-1242.82 h60
Drill Drawing:
  circle w8: c6713,1985.72 r13.33
  circle w8: c6713,1985.72 r22.22
  circle w8: c6713,1185.72 r22.22
  lines w8: 6690.78,1063.5 6735.22,1063.5 6735.22,1107.94 6690.78,1107.94 6690.78,1063.5 ; 6690.78,1307.94 6735.22,1307.94 6713,1263.5 6690.78,1307.94 ; 6690.78,1374.61 6701.89,1374.61 6713,1363.5 6724.11,1374.61 6735.22,1374.61 6724.11,1385.72 6735.22,1396.83 6724.11,1396.83 6713,1407.94 6701.89,1396.83 6690.78,1396.83 6701.89,1385.72 6690.78,1374.61 ; 6690.78,1463.5 6690.78,1474.61 6701.89,1485.72 6690.78,1496.83 6690.78,1507.94 6701.89,1507.94 6713,1496.83 6724.11,1507.94 6735.22,1507.94 6735.22,1496.83 6724.11,1485.72 6735.22,1474.61 6735.22,1463.5 6724.11,1463.5 6713,1474.61 6701.89,1463.5 6690.78,1463.5 ; 6690.78,1563.5 6713,1574.61 6735.22,1563.5 6724.11,1585.72 6735.22,1607.94 6713,1596.83 6690.78,1607.94 6701.89,1585.72 6690.78,1563.5 ; 6690.78,1685.72 6713,1663.5 6735.22,1685.72 6713,1707.94 6690.78,1685.72 ; 6690.78,1807.94 6735.22,1807.94 6713,1763.5 6690.78,1807.94 ; 6690.78,1874.61 6701.89,1874.61 6713,1863.5 6724.11,1874.61 6735.22,1874.61 6724.11,1885.72 6735.22,1896.83 6724.11,1896.83 6713,1907.94 6701.89,1896.83 6690.78,1896.83 6701.89,1885.72 6690.78,1874.61 ; 6690.78,2074.61 6701.89,2074.61 6701.89,2063.5 6724.11,2063.5 6724.11,2074.61 6735.22,2074.61 6735.22,2096.83 6724.11,2096.83 6724.11,2107.94 6701.89,2107.94 6701.89,2096.83 6690.78,2096.83 6690.78,2074.61 ; 6690.78,2163.5 6713,2174.61 6735.22,2163.5 6724.11,2185.72 6735.22,2207.94 6713,2196.83 6690.78,2207.94 6701.89,2185.72 6690.78,2163.5 ; 6699.67,1299.06 6726.33,1299.06 6713,1272.39 6699.67,1299.06 ; 6699.67,1879.06 6706.33,1879.06 6713,1872.39 6719.67,1879.06 6726.33,1879.06 6719.67,1885.72 6726.33,1892.39 6719.67,1892.39 6713,1899.06 6706.33,1892.39 6699.67,1892.39 6706.33,1885.72 6699.67,1879.06 ; 6699.67,2079.06 6706.33,2079.06 6706.33,2072.39 6719.67,2072.39 6719.67,2079.06 6726.33,2079.06 6726.33,2092.39 6719.67,2092.39 6719.67,2099.06 6706.33,2099.06 6706.33,2092.39 6699.67,2092.39 6699.67,2079.06 ; 6699.67,2172.39 6713,2179.06 6726.33,2172.39 6719.67,2185.72 6726.33,2199.06 6713,2192.39 6699.67,2199.06 6706.33,2185.72 6699.67,2172.39
  lines w15: 6650.5,1033.5 9052.01,1033.5 ; 6650.5,2233.5 9052.01,2233.5 ; 7022.02,933.5 7022.02,2333.5 ; 7424.58,933.5 7424.58,2333.5 ; 8187.02,933.5 8187.02,2333.5 ; 8528.54,933.5 8528.54,2333.5 ; 6650.5,933.5 9052.01,933.5 9052.01,2333.5 6650.5,2333.5 6650.5,933.5
  text "Symbol" at 6710.5,2263.5 h48
  text "Count" at 7052.02,2263.5 h48
  text "Hole Size" at 7454.58,2263.5 h48
  text "Plated" at 8217.02,2263.5 h48
  text "Hole Type" at 8558.54,2263.5 h48
  text "30" at 7052.02,2163.5 h40
  text "7.87mil (0.200mm)" at 7454.58,2163.5 h40
  text "PTH" at 8217.02,2163.5 h40
  text "Round" at 8558.54,2163.5 h40
  text "198" at 7052.02,2063.5 h40
  text "12.00mil (0.305mm)" at 7454.58,2063.5 h40
  text "PTH" at 8217.02,2063.5 h40
  text "Round" at 8558.54,2063.5 h40
  text "24" at 7052.02,1963.5 h40
  text "16.00mil (0.406mm)" at 7454.58,1963.5 h40
  text "PTH" at 8217.02,1963.5 h40
  text "Round" at 8558.54,1963.5 h40
  text "2" at 7052.02,1863.5 h40
  text "31.50mil (0.800mm)" at 7454.58,1863.5 h40
  text "NPTH" at 8217.02,1863.5 h40
  text "Round" at 8558.54,1863.5 h40
  text "40" at 7052.02,1763.5 h40
  text "40.00mil (1.016mm)" at 7454.58,1763.5 h40
  text "PTH" at 8217.02,1763.5 h40
  text "Round" at 8558.54,1763.5 h40
  text "4" at 7052.02,1663.5 h40
  text "44.00mil (1.118mm)" at 7454.58,1663.5 h40
  text "PTH" at 8217.02,1663.5 h40
  text "Round" at 8558.54,1663.5 h40
  text "16" at 7052.02,1563.5 h40
  text "47.24mil (1.200mm)" at 7454.58,1563.5 h40
  text "PTH" at 8217.02,1563.5 h40
  text "Round" at 8558.54,1563.5 h40
  text "8" at 7052.02,1463.5 h40
  text "49.21mil (1.250mm)" at 7454.58,1463.5 h40
  text "PTH" at 8217.02,1463.5 h40
  text "Round" at 8558.54,1463.5 h40
  text "4" at 7052.02,1363.5 h40
  text "49.37mil (1.254mm)" at 7454.58,1363.5 h40
  text "PTH" at 8217.02,1363.5 h40
  text "Round" at 8558.54,1363.5 h40
  text "2" at 7052.02,1263.5 h40
  text "55.12mil (1.400mm)" at 7454.58,1263.5 h40
  text "PTH" at 8217.02,1263.5 h40
  text "Round" at 8558.54,1263.5 h40
  text "7" at 7052.02,1163.5 h40
  text "80.71mil (2.050mm)" at 7454.58,1163.5 h40
  text "PTH" at 8217.02,1163.5 h40
  text "Round" at 8558.54,1163.5 h40
  text "5" at 7052.02,1063.5 h40
  text "128.00mil (3.251mm)" at 7454.58,1063.5 h40
  text "NPTH" at 8217.02,1063.5 h40
  text "Round" at 8558.54,1063.5 h40
  text "340 Total" at 7052.02,963.5 h40
  text "FOR 7.874MIL DRILL +0/-7.874MIL" at 7411,728.67 h60
  text "FOR 12MIL DRILL +0/-12MIL" at 7411,610.67 h60
  text "FOR 16MIL DRILL +0/-16MIL" at 7410,499.67 h60
  text "FOR PTH DRILL +/-3MIL" at 7410,357.67 h60
  text "FOR NPTH DRILL +/-2MIL" at 7410,230.67 h60
  text ".Layer_Name" at -243,-1242.82 h60

## Dimensions
0,3346.46 to 0,0 on M2 Board Dimensions
0,0 to 5511.81,0 on M2 Board Dimensions

## Text inside footprints (layer, text, board x,y; h text height)
Logo1: Top Overlay "Pb" at 2998.4,108.01 h60
Logo6: Top Overlay "For evaluation only; not FCC approved for resale." at 5257,1452 h60 r90
T1: Mechanical 17 "LEAD LENGTH IS 6MM" at 619,1826 h41.18 r180
ZZ1: M5 Assembly Top "Install label in silkscreened box after final wash.  Text shall be 8 pt font.  Text shall be per the Label Table in the PDF schematic." at 223,5365.67 h20